# KiCad board ev18.kicad_pcb (continued)
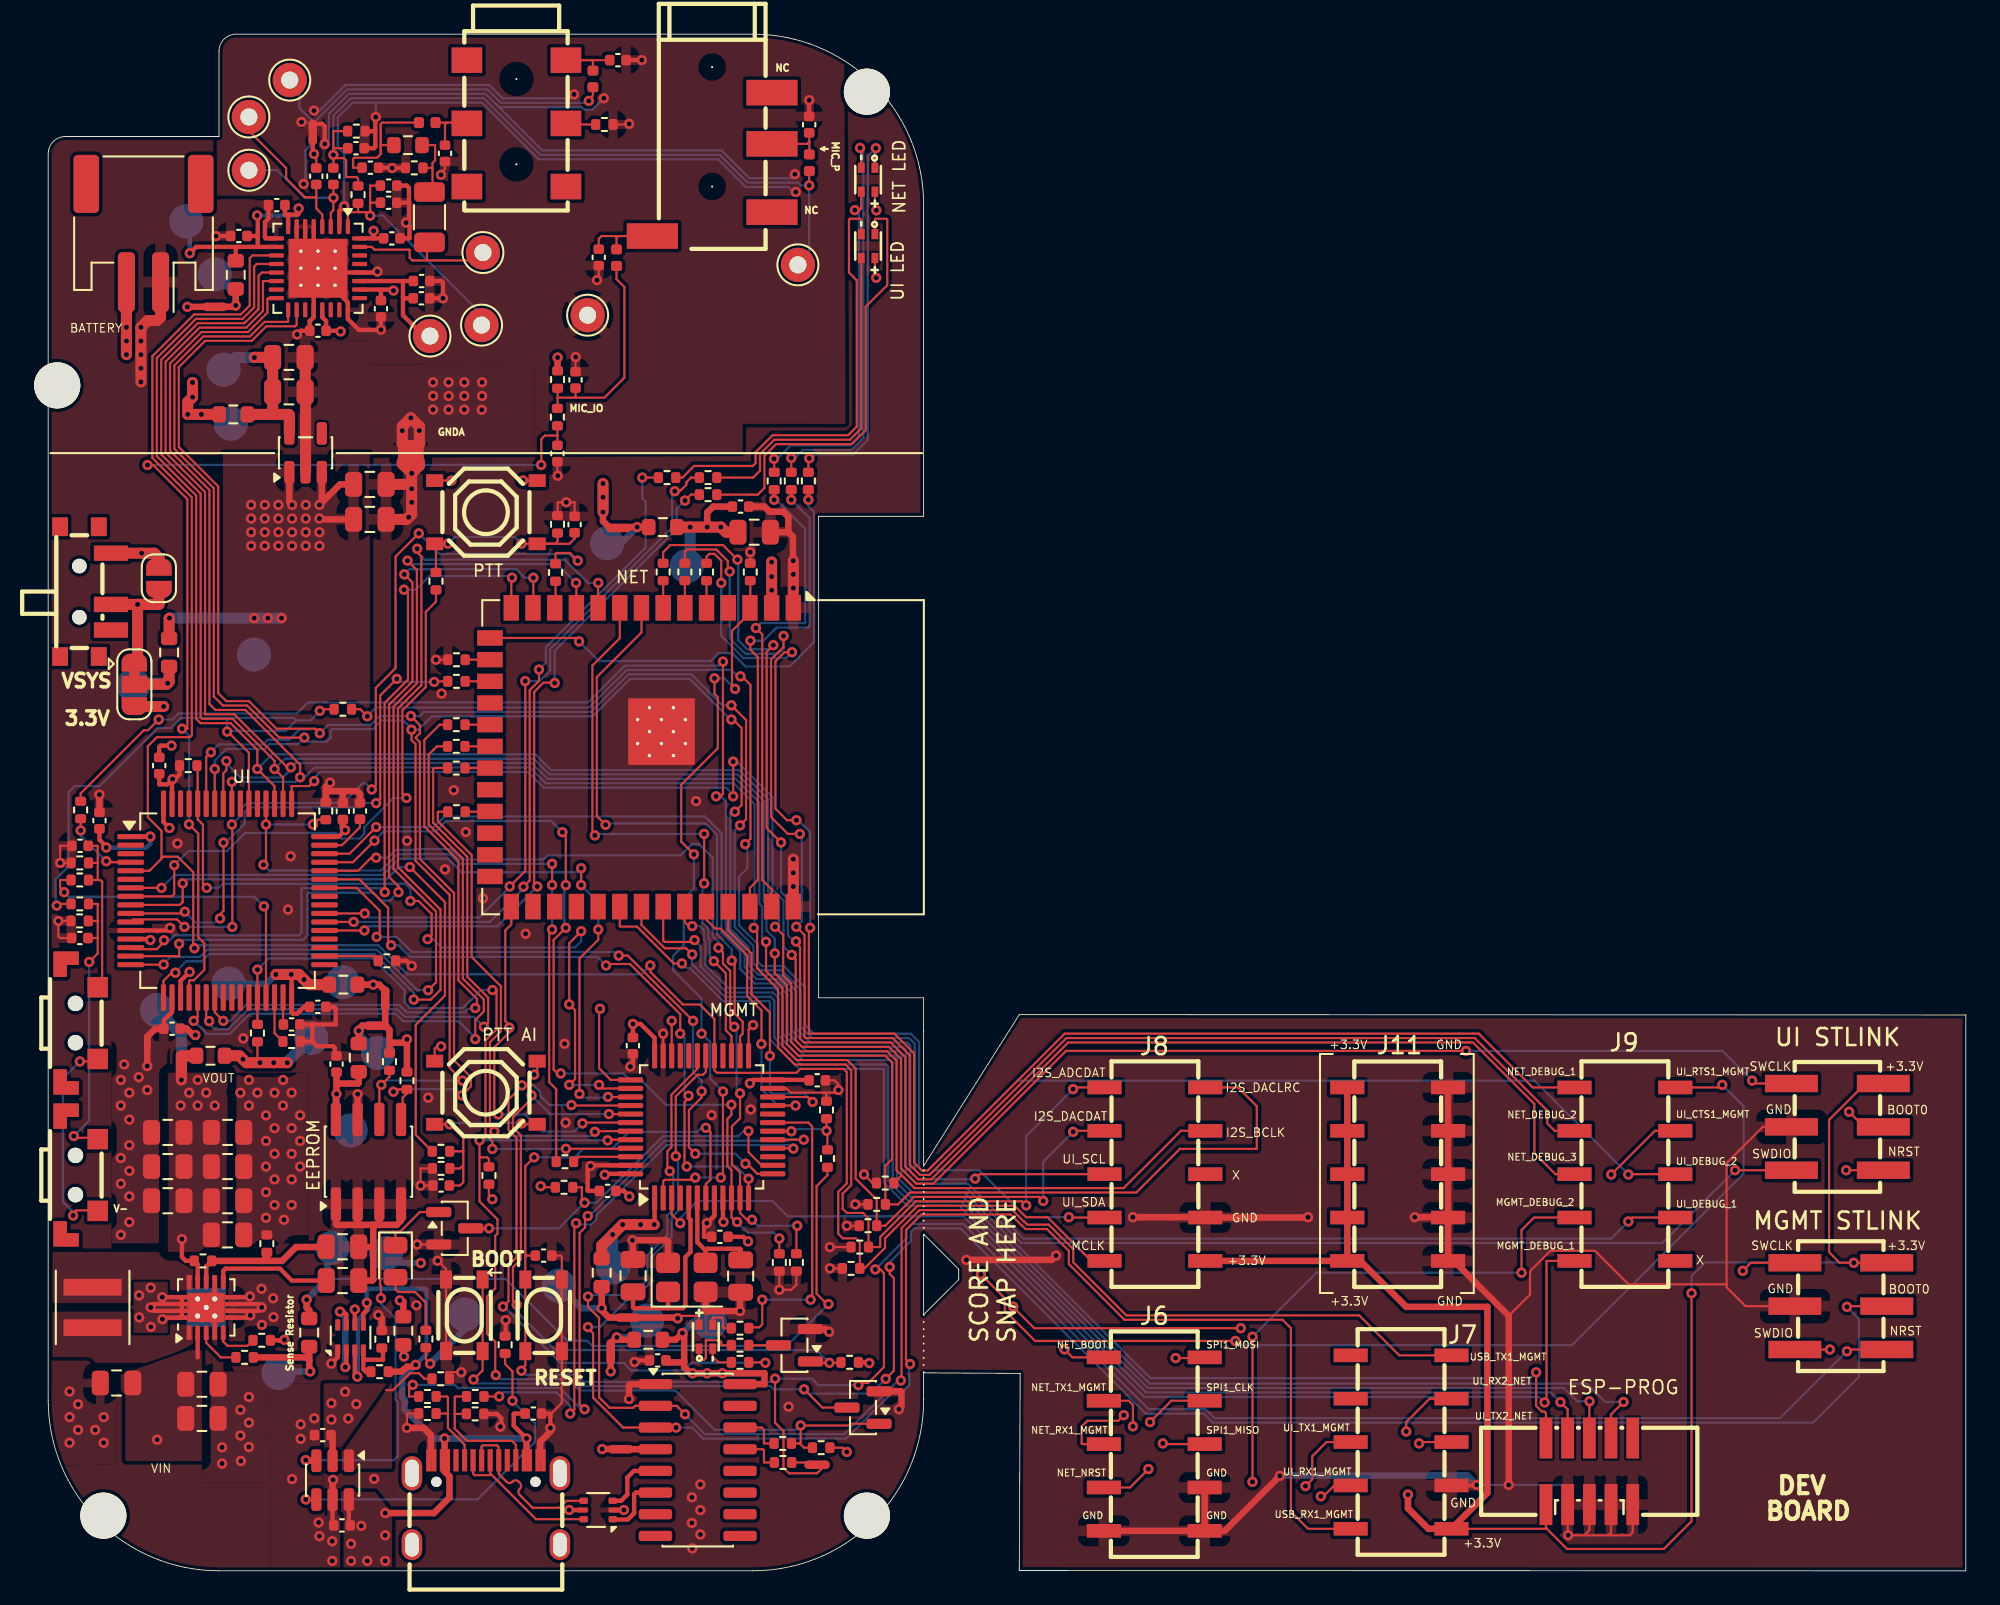
[diagram p0: board, top side]
## Routing (per net, layer and track width the routed paths; a pad name or vN(x,y) marks a point on that pad's centre or on a via; arc(x,y) is an arc through that point) (continued)
GNDA: length 148
  Top w0.127: v1(32.13,75.6) 32.23,75.7 32.23,76.36 ; v1(30.88,71.09) 30.87,71.08 C63.2 ; v1(22.99,81.76) 22.99,81.86 23.23,82.1 C57.2 ; v1(34.01,84.75) 33.97,84.71 R84.2
  Top w0.254: C25.1 21.15,78.04 21.15,78.76 v1(20.95,78.96) 21.12,79.13 21.12,80.15 ; NT11.1 16.03,84.75 16.19,84.59 v1(16.19,83.57) ; C48.2 21.1,80.13 21.12,80.15 ; C33.2 23.02,75.54 23.11,75.45 v1(23.11,74.53) C55.2 ; U6.2 17.04,79.64 17.05,79.64 v1(17.33,79.92) ; C58.2 20.12,82.18 v1(20.14,82.16) 20.15,82.17 R32.1 ; 19.15,84.35 19.15,83.4 19.07,83.32 C61.2 ; 19.15,84.35 19.15,85.12 v1(19.18,85.15) ; 19.15,84.35 19.12,84.32 R86.1 ; U6.33 15.54,77.54 U6.5 ; U6.6 15.04,77.04 U6.33 ; 21.12,80.15 21.12,81 20.99,81.13 C37.2 ; C60.2 v1(44.55,86.13) ; U6.33 15.54,76.04 U6.20 15.54,73.43 15.31,73.19 C26.2 14.78,72.63 14.57,72.42 v1(14.57,72.41) ; U6.33 14.54,77.54 U6.7 ; U6.33 16.04,76.04 U6.28 19.21,76.04 v1(19.27,76.1) ; U6.33 15.79,76.04 17.54,74.29 U6.24 17.54,73.32 18.18,72.68 19.47,72.68 v1(19.48,72.69) C28.2 ; C59.2 v1(34.75,88.48)
  Top w0.65: NT1.2 v1(20.73,66.78) 20.73,67.03 v1(21.23,67.53) 21.73,67.03 v1(21.73,66.78) NT1.4 ; 15.13,68.58 15.07,68.52 U12.2 ; 15.05,68.95 15.05,70.97
  Bottom w0.127: 26.21,85.9 28.92,83.19 39.43,83.19 41.05,81.57 43.57,81.57 43.71,81.7 v1(43.71,81.8) ; 26.21,85.9 25.6,86.51 17.61,86.51 16.44,85.34 16.44,83.82 v1(16.19,83.57) ; 26.21,85.9 26.39,85.72 31.23,85.72 31.37,85.59 31.87,85.59 v1(32.52,86.25) ; v1(17.33,79.92) 17.33,83 16.95,83.37 16.95,85.12 17.82,85.99 19.06,85.99 19.18,85.87 v1(19.18,85.15) ; v1(43.76,80.76) 43.63,80.76 43.34,81.05 40.84,81.05 39.21,82.67 28.71,82.67 25.39,85.99 18.98,85.99
  Bottom w0.13: 28.71,86.24 28.63,86.24 ; 28.71,86.24 26.6,86.24 25.82,87.03 17.39,87.03 15.89,85.52 v1(15.56,85.52) ; 28.71,86.24 30.7,86.24 30.78,86.33 v1(30.78,86.47) ; 15.06,83.19 15.06,81.33 v1(14.95,81.23) ; 15.06,83.19 15.3,83.42 15.3,84.72 14.99,85.03 v1(14.83,84.86) ; 15.06,83.19 15.06,82.91
  vias: v1(22.53,69.61) v1(22.53,68.81) v1(22.53,68.01) v1(23.44,69.61) v1(23.44,68.81) v1(23.44,68.01) v1(24.36,69.61) v1(24.36,68.81) v1(24.36,68.01) v1(25.4,69.61) v1(25.4,68.81) v1(25.38,68)
VBUS: length 49.7
  Top w0.254: U2.5 v1(30.5,3.56) ; U9.5 18.45,15.06 18.65,15.27 v1(18.65,15.7) ; v1(28,7.75) 27.25,8.5 27.25,9.17 27.29,9.21 C5.1 ; U1.6 17.6,2.74 ; v1(18.1,11.37) 18.09,11.37 17.95,11.51 U9.3
  Top w0.381: v1(19.73,3.38) 22.58,3.38 23.49,4.3 23.49,5.53 23.2,5.82 v1(23.2,7.75) ; v1(21.52,12.07) 21.41,11.96 21.01,11.96 20.87,11.81 20.83,11.81 20.68,11.66 R53.2 ; v1(28,7.75) 28,6.65
  In2.Cu w0.381: v1(30.5,3.56) 30.88,3.94 30.88,7.38 30.5,7.75 v1(28,7.75)
  Bottom w0.254: v1(21.52,12.07) 21.52,12.08 22.15,12.71 22.15,16.44 22.07,16.52 18.7,16.52 18.65,16.48 v1(18.65,15.7) 18.76,15.59 18.76,15.33 18.13,14.7 18.13,11.4 v1(18.1,11.37)
  Bottom w0.381: v1(28,7.75) v1(23.2,7.75) 22.56,7.75 20.86,9.45 20.86,10.04 20.72,10.19 20.72,11.27 v1(21.52,12.07)
  vias: v1(17.73,1.58) v1(17.73,0.58) v1(18.33,2.63) v1(18.68,0.58) v1(19.73,2.08) v1(19.73,0.58)
/AMID: length 7.9
  Top w0.254: 20.77,74.63 20.87,74.53 C55.1 ; 20.77,74.63 20.77,73.54 21.99,72.32 TP7.1 ; 20.77,74.63 20.77,75.54 ; U6.27 20.77,75.54 ; 20.77,75.54 C33.1
/Analog_Sense: length 10.1
  Top w0.65: U12.5 14.12,67.7 14.08,67.73 13.14,67.73 ; 13.14,67.73 R52.1 ; 13.14,67.73 C18.1 C10.1 12.08,71.07 v1(12.07,71.06)
  Bottom w0.65: v1(12.07,71.06) 10.98,71.06 TP27.1
/BATTERY_MON: length 5.1
  Top w0.127: v1(45.56,25.77) R13.1 ; 42.45,25.71 U3.18 43.5,25.75 v1(43.5,25.75) ; R12.1 45.62,25.68 45.54,25.75
  Bottom w0.127: v1(43.5,25.75) 43.57,25.75 43.69,25.87 45.47,25.87 v1(45.56,25.77)
/BB_Vin_Sense: length 20.1
  Top w0.254: U5.2 8.75,12.5
  Top w0.381: 15.28,12.33 15.28,11.73 v1(15.33,11.68) ; 15.28,12.33 15.11,12.5 R18.1 ; 15.28,12.33 R14.2
  In2.Cu w0.381: v1(15.33,11.68) 14.58,10.93 6.93,10.93 6.58,10.58 6.58,7.88 v1(6.38,7.68)
  Bottom w0.381: TP26.1 13.58,11.68 v1(15.33,11.68)
/BB_Vout: length 30.7
  Top w0.254: v1(7.83,19.43) 7.83,18.38 8.06,18.15 R26.2 8.75,17.95 U5.9 U5.9 ; R28.2 13.53,13.5 13.55,13.48 13.78,13.48 v1(13.83,13.53)
  Top w0.65: R48.1 8.21,30.17 8.2,30.16 7.8,30.16 v1(7.8,28.75)
  In2.Cu w0.254: v1(7.83,19.43) 5.23,19.43 3.95,18.15 3.95,13.16 4.2,12.91 13.21,12.91 v1(13.83,13.53)
  Bottom w0.65: TP23.1 7.8,31.41 v1(7.8,28.75)
  vias: v1(7.75,27.25) v1(8.25,28) v1(8.75,28.75) v1(8.75,27.25) v1(9.25,28) v1(9.75,27.25)
/BQ_OUT: length 12.9
  Top w0.127: R11.1 22.11,12.38 v1(22.36,12.13)
  Top w0.381: C12.1 16.65,7.85 U1.2 ; v1(20.83,12.55) 20.79,12.59 R65.1
  In2.Cu w0.381: v1(18.04,9.76) v1(20.83,12.55) 21.11,12.83 21.66,12.83 v1(22.36,12.13)
  Bottom w0.381: TP31.1 24.39,14.16 v1(22.36,12.13)
  vias: v1(16.58,9.82) v1(16.58,8.86) v1(17.38,10.49) v1(17.57,8.92)
/CH340C_Sense: length 3.8
  Top w0.381: 33.29,13.64 33.4,13.53 R80.1 ; 33.29,13.64 33.18,13.53 33.13,13.53 NT5.2 ; 33.29,13.64 v1(33.29,13.67)
  Bottom w0.381: TP22.1 34.08,13.67 v1(33.29,13.67)
/CHG_FB: length 24.6
  Top w0.127: v1(40.99,25.76) 40.99,24.52 41.76,23.75 U3.14 ; R3.1 31.24,22.46 31.24,21.72 v1(31.4,21.56) ; 24.28,20.06 v1(25.81,20.06) Q2.3
  Bottom w0.127: 40.4,25.45 40.71,25.76 v1(40.99,25.76) ; v1(31.4,21.56) 29.9,20.06 v1(25.81,20.06)
  Bottom w0.13: v1(31.4,21.56) 32.1,21.56 35.99,25.45 40.4,25.45
/D_N: length 9.3
  Top w0.127: 25.88,5.71 25.88,5.65 25.83,5.6 24.96,5.6 24.88,5.68 J1.B7
  Top w0.13: U2.6 28.56,3.03 25.88,5.71 J1.A7
/D_P: length 10
  Top w0.127: J1.B6 26.38,7.25 26.27,7.35 25.44,7.35 25.37,7.28 25.37,6.48 J1.A6
  Top w0.13: J1.B6 26.38,5.68 26.83,5.22 arc(27,5.15) 27.17,5.22 27.19,5.23 arc(27.36,5.3) 27.53,5.23 27.61,5.15 arc(27.68,4.98) 27.61,4.81 27.6,4.79 arc(27.53,4.62) 27.6,4.45 28.36,3.69 29.93,3.69 30.34,4.1 U2.4
/EEPROM_Sense: length 3.3
  Top w0.381: NT10.2 18.38,31.93 18.18,31.73 v1(18.18,31.63) R79.1
  Bottom w0.381: v1(18.18,31.63) 18.18,31.46 TP11.1
/HP_L: length 9.1
  Top w0.13: C34.1 22.17,77.66 22.17,76.8 22.12,76.75 ; 22.12,76.75 21.32,76.75 21.16,76.91 21.16,77.36 21.14,77.38 19.1,77.38 18.94,77.54 U6.31 ; 22.12,76.75 24.99,76.75 TP1.1
/I2S_ADCDAT: length 121.8
  Top w0.127: U6.16 12.89,74.54 12.83,74.48 12.83,73.69 11.7,72.56 8.97,72.56 7.13,70.72 7.13,65.61 9.44,63.3 9.44,50.77 9.79,50.42 11.54,50.42 14.75,47.21 v1(14.75,46.48) ; v1(57.25,21.41) 57.01,21.64 50.79,21.64 48.71,19.56 48.71,19.01 48.67,18.96 R66.1 48.02,20.64 47.7,20.96 46.75,20.96 46.51,21.21 46.51,22.09 47.01,22.59 47.01,29.32 46.67,29.66 43.71,29.66 42.72,30.64 42.72,34.06 41.5,35.29 41.5,37.46 v1(41.3,37.66) ; v1(10.75,46.21) U10.56 ; J8.6 60.1,28.31 v1(60,28.21)
  Bottom w0.127: v1(10.75,46.21) 14.49,46.21 v1(14.75,46.48) 15.01,46.48 15.58,47.05 28.21,47.05 29.12,46.13 40.13,46.13 41.34,44.92 41.34,37.69 v1(41.3,37.66) ; v1(60,28.21) 57.25,25.46 v1(57.25,21.41)
/I2S_BCLK: length 120.6
  Top w0.127: 49.95,23.18 50.71,22.42 62.95,22.42 66.31,25.77 J8.4 ; 49.95,23.18 49.66,23.47 49.66,29.88 49.11,30.43 44.03,30.43 ; 49.95,23.18 49.96,23.17 R69.1 ; v1(42.55,37.72) 43.03,37.25 43.03,34.88 43.5,34.41 43.5,30.96 43.99,30.46 ; U6.12 12.21,76.54 12.06,76.39 12.06,74.01 11.38,73.33 8.65,73.33 6.36,71.04 6.36,65.29 8.66,62.98 8.66,49.9 8.91,49.65 10.68,49.65 12.24,48.08 v1(12.24,46.97) 13.25,45.96 U10.51
  Bottom w0.127: v1(42.55,37.72) 42.61,37.78 42.77,37.78 42.78,37.8 42.78,39.15 42.15,39.79 42.15,45.21 40.46,46.9 29.45,46.9 28.53,47.82 13.1,47.82 v1(12.24,46.97)
/I2S_DACDAT: length 119.7
  Top w0.127: v1(60,25.71) 60.06,25.77 J8.7 ; v1(58.25,21.67) 58.01,21.9 50.69,21.9 49,20.21 R68.1 48.5,21.74 47.27,22.98 47.27,29.43 46.78,29.92 43.81,29.92 42.98,30.75 42.98,34.17 42.02,35.13 v1(42.02,36.84) ; U6.14 12.59,75.54 12.57,75.53 12.57,73.79 11.6,72.81 8.87,72.81 6.87,70.82 6.87,65.5 9.18,63.19 9.18,50.17 10.89,50.17 13.99,47.06 v1(14.2,47.06) ; U10.57 10.25,46.71 10.43,46.9 v1(10.43,47.43)
  Bottom w0.127: v1(42.02,36.84) 41.8,37.07 41.8,37.4 41.8,37.4 41.8,38.91 41.63,39.08 41.63,45 40.24,46.39 29.23,46.39 28.31,47.31 14.44,47.31 v1(14.2,47.06) ; 14.29,46.97 v1(14.2,47.06) ; v1(14.2,47.06) 14.23,47.04 14.23,46.96 13.74,46.47 11.24,46.47 10.43,47.28 v1(10.43,47.43) ; v1(58.25,21.67) 58.25,23.96 v1(60,25.71)
/I2S_DACLRC: length 128.9
  Top w0.127: U6.13 12.51,76.04 12.31,75.85 12.31,73.9 11.49,73.07 8.76,73.07 6.61,70.93 6.61,65.39 8.92,63.09 8.92,50.01 9.02,49.91 10.79,49.91 13.25,47.44 v1(13.25,46.97) 13.75,46.47 U10.50 13.73,44.94 ; v1(42.53,36.16) 42.53,35.01 43.24,34.3 43.24,30.85 43.92,30.17 49,30.17 49.4,29.77 49.4,24.11 49,23.71 49,22.46 49.01,22.45 R67.1 49.75,21.46 50.45,22.16 63.7,22.16 66.25,24.71 70.75,24.71 70.75,27.21 69.65,28.31 J8.5
  Bottom w0.127: v1(42.53,36.16) 42.53,37.03 42.05,37.51 42.05,39.02 41.89,39.18 41.89,45.1 40.35,46.64 29.34,46.64 28.42,47.56 13.85,47.56 v1(13.25,46.97)
/Jack_HP_L: length 3.2
  Top w0.127: 23.33,84.82 24.52,84.82 ; 23.33,84.82 23.23,84.72 23.23,83.79 ; 23.33,84.82 L1.2 ; 24.61,84.82 24.66,84.78
  Top w0.254: 24.5,84.93 24.66,84.78
/Jack_MIC_N: length 3.4
  Top w0.127: 31.82,88.48 32.86,88.48 C59.1 ; 31.82,88.48 30.16,88.48 ; 31.82,88.48 31.89,88.41 L3.2
/Jack_MIC_P: length 4
  Top w0.127: 44.55,83.7 44.42,83.58 41.87,83.58 ; 44.55,83.7 C60.1 ; 44.55,83.7 44.56,83.69 L4.1
/Jack_PTT: length 4.6
  Top w0.127: J3.S 33.36,78.18 ; 33.36,78.18 33.27,78.09 L5.1 ; 33.36,78.18 32.39,78.18 ; 32.38,78.17 32.23,78.02 C62.1
/LEDA_B: length 17.7
  Top w0.127: v1(44.63,15.88) 44.72,15.98 44.72,26.03 44.5,26.25 U3.19 ; v1(41.8,15.88) 41.8,14.43 41.63,14.26 41.06,14.26 R15.2
  Bottom w0.127: v1(41.8,15.88) 42.12,15.88 42.12,15.88 v1(44.63,15.88)
/LEDA_G: length 38.8
  Top w0.127: R21.2 41.96,12.21 v1(41.98,12.19) ; v1(30.63,27.28) 30.78,27.28 30.81,27.25 U3.40 ; v1(27.73,28.43) 27.63,28.33 27.63,28.28 26.95,27.6 26.95,25.83 27.41,25.36 27.41,18.35 26.95,17.89 26.95,15.8 v1(26.62,15.47)
  Bottom w0.127: v1(26.62,15.47) 26.69,15.47 29.98,12.18 33.69,12.18 34.12,11.74 37.2,11.74 37.65,12.19 v1(41.98,12.19) ; v1(27.73,28.43) 28.41,28.43 28.79,28.05 28.79,27.83 29.34,27.28 v1(30.63,27.28)
/LEDA_R: length 41
  Top w0.127: v1(28.29,27.85) 28.29,27.65 27.21,26.56 27.21,25.97 27.67,25.51 27.67,18.25 27.21,17.78 27.21,15.81 v1(27.43,15.58) ; Q1.1 44.71,12.18 v1(45.73,12.18) 46.21,12.18 46.24,12.21 ; v1(32.83,26.75) U3.41
  Bottom w0.127: v1(32.83,26.75) 29.39,26.75 v1(28.29,27.85) ; v1(45.73,12.18) 44.99,12.92 29.69,12.92 27.43,15.18 v1(27.43,15.58)
/LIN1: length 9.4
  Top w0.127: 15.69,80.5 15.69,79.79 16.04,79.44 U6.4 ; 15.69,80.5 15.64,80.45 15.03,80.45 13.93,81.55 13.93,82.16 11.75,84.34 TP5.1 ; 15.69,80.5 C32.1
/LIN2: length 8.2
  Top w0.127: C36.2 16.69,80.43 v1(16.7,80.42) 16.69,80.42 16.69,79.69 16.54,79.54 U6.3
  Bottom w0.127: v1(16.7,80.42) 15.02,80.42 13.41,82.03 TP6.1
/MCLK: length 127.2
  Top w0.127: U6.11 11.96,77.04 11.8,76.88 11.8,74.11 11.27,73.59 8.54,73.59 6.1,71.14 6.1,65.18 8.41,62.87 8.41,48.94 8.3,48.83 6.37,48.83 5.83,48.29 5.83,44.14 6.63,43.34 6.63,41.71 ; v1(8.56,36.46) 8.49,36.53 8.49,40.92 7.58,41.83 6.75,41.83 6.63,41.71 ; U10.5 5.92,41 6.63,41.71 ; v1(35.24,35.46) 35.24,35.08 37.16,33.17 38.15,33.17 39,32.32 U3.29 39,29.31 39.15,29.17 43.8,29.17 44.03,29.4 46.56,29.4 46.75,29.21 46.75,22.7 46.25,22.2 46.25,19.74 46.51,19.48 47.28,19.48 47.51,19.24 R64.1 47.78,17.71 48.99,18.92 48.99,19.47 50.9,21.39 56.57,21.39 57.24,20.71 58.5,20.71 61.06,18.15 J8.10
  Bottom w0.127: v1(8.56,36.46) 8.73,36.64 19.33,36.64 21.03,34.94 34.72,34.94 v1(35.24,35.46)
/MGMT_BOOT: length 128.8
  Top w0.127: v1(32.75,25.21) 32.79,25.25 U3.44 ; J4.3 105.34,15.5 v1(105.3,15.46) ; 25.29,25.25 v1(25.25,25.21) 25.25,21.64 26.3,20.59 26.3,19.75 26.17,19.62 26.17,16.54 25.69,16.06 25.69,13.89 26.17,13.41 26.17,11.49 v1(26.2,11.46) ; Q3.3 45.32,9.56 v1(44.25,10.63) ; v1(49.26,17.8) 49.26,17.39 49.51,17.14 49.51,11.72 v1(49.03,11.24)
  Top w0.13: 25.25,24.26 25.3,24.22 25.7,24.22 25.8,24.12 R22.1
  Bottom w0.127: v1(32.75,25.21) v1(25.25,25.21) ; v1(26.2,11.46) 26.44,11.23 27.49,11.23 27.5,11.23 27.9,11.23 27.91,11.23 30.8,11.23 31.21,10.81 42.29,10.81 42.47,10.63 v1(44.25,10.63) 44.5,10.38 48.17,10.38 49.03,11.24 v1(49.03,11.24) ; v1(105.3,15.46) 106,14.76 106,11.36 103.32,8.68 68.17,8.68 67.65,9.21 64.26,9.21 53.4,20.06 50.7,20.06 50.51,19.87 50.51,19.33 49.26,18.09 v1(49.26,17.8)
/MGMT_DEBUG_1: length 67.9
  Top w0.127: U3.3 36.5,20.86 v1(37,20.36) ; v1(87.6,9.86) 87.71,9.97 87.71,18.15 J9.10
  Bottom w0.127: v1(37,20.36) 37,20.66 38,21.66 42.4,21.66 43.3,20.76 53.58,20.76 63.96,10.38 63.97,10.38 64.16,10.19 87.27,10.19 v1(87.6,9.86)
/MGMT_DEBUG_2: length 80.7
  Top w0.127: v1(70.5,5.21) v1(70.5,13.71) ; v1(86.25,17.46) 86.25,19.96 86.98,20.69 J9.9 ; v1(41.26,31.97) 41,31.71 U3.25
  In2.Cu w0.127: v1(70.5,5.21) 64.46,5.21 57.73,11.94 57.73,15.66 52.52,20.87 50.07,20.87 48.41,22.54 48.41,28.76 48.28,28.88 44.14,28.88 44.02,29 42.66,29 41.26,30.41 41.26,31.96 v1(41.26,31.97)
  Bottom w0.127: v1(86.25,17.46) 74.25,17.46 v1(70.5,13.71)
/MGMT_NRST: length 132.1
  Top w0.127: v1(38.5,25.95) 38.53,25.95 38.77,25.71 38.77,22.92 38.5,22.65 U3.7 ; SW3.1 27.93,12.03 27.7,11.8 v1(27.7,11.72) ; 27.93,18.39 27.93,23.7 v1(28.45,24.22) ; 27.93,18.39 28,18.46 C17.1 ; 27.93,18.39 SW3.2 ; v1(105.3,12.86) 105.4,12.96 J4.1 ; NT3.2 45.01,5.71 43.37,5.71 43.05,6.04 43.05,8.18 42.55,8.68 v1(42.55,11.26) ; v1(48.42,17.65) 48.53,17.76 48.6,17.76 48.92,17.44 48.92,11.93 48,11.01 47.56,11.01 v1(47.43,10.88)
  Top w0.13: SW3.2 SW3.1
  Bottom w0.127: v1(105.3,12.86) 101.38,8.94 68.28,8.94 67.76,9.47 64.42,9.47 53.57,20.32 50.59,20.32 50.25,19.98 50.25,19.49 49.06,18.29 49.06,18.29 48.77,18 48.77,18 v1(48.42,17.65) ; v1(28.45,24.22) 30.81,24.22 31.3,24.71 33,24.71 34,25.71 37.99,25.71 38.23,25.95 v1(38.5,25.95) ; v1(27.7,11.72) 27.94,11.49 30.91,11.49 31.32,11.07 42.36,11.07 v1(42.55,11.26) 44.7,11.26 45.09,10.88 v1(47.43,10.88)
/MGMT_Sense: length 5.6
  Top w0.381: NT6.2 32.83,14.83 32.4,15.26 v1(32.4,15.38) 32.4,16.64
  Bottom w0.381: v1(32.4,15.38) 31.21,15.38 TP20.1
/MGMT_SWCLK: length 100.4
  Top w0.127: 102.33,17.96 J4.6 99.67,18.04 v1(99.2,17.57) ; v1(32.3,32.92) 32.25,32.87 32.25,29.43 32.93,28.75 U3.37
  In2.Cu w0.127: v1(32.3,32.92) 32.54,33.16 42.56,33.16 42.94,32.78 42.94,30.82 44.35,29.4 48.81,29.4 48.92,29.29 48.92,22.75 50.29,21.39 52.73,21.39 58.25,15.87 58.25,12.15 63.69,6.71 91.41,6.71 91.56,6.86 91.56,9.93 v1(99.2,17.57)
/MGMT_SWDIO: length 93.9
  Top w0.127: v1(104.3,12.96) J4.2 103.29,12.96 ; 36.51,30.18 U3.34 v1(36.5,32.21)
  In2.Cu w0.127: v1(36.5,32.21) 37.19,32.9 42.45,32.9 42.68,32.67 42.68,30.71 44.25,29.14 48.49,29.14 48.66,28.96 48.66,22.64 50.18,21.13 52.62,21.13 57.99,15.76 57.99,12.05 63.58,6.45 97.79,6.45 v1(104.3,12.96)
/MIC_IO: length 60.4
  Top w0.127: v1(8.24,43.72) 8.78,43.18 8.78,37.11 9.14,36.75 9.14,35.2 8.52,34.58 8.28,34.58 8.25,34.55 U10.20 ; 29.81,66.49 29.07,66.49 28.87,66.29 28.87,64.78 v1(28.86,64.77) ; 29.81,66.49 R81.2 ; 29.81,66.49 C53.1 ; v1(7.84,49.32) 8.14,49.32 8.15,49.33 8.15,62.77 6.15,64.77 v1(5.81,64.77)
  Bottom w0.127: v1(8.24,43.72) 8.25,43.73 8.25,48.91 v1(7.84,49.32) ; v1(5.81,64.77) 5.83,64.78 28.85,64.78 v1(28.86,64.77)
/MIC_N: length 24.7
  Top w0.127: C32.2 15.69,82.85 v1(15.56,82.98) ; L3.1 31.89,86.41 31.65,86.17 v1(31.65,86.09)
  Top w0.254: v1(15.56,82.98) 15.49,83.05 NT11.2
  Bottom w0.127: v1(15.56,82.98) 15.56,84.83 ; 15.56,84.83 17.5,86.77 25.71,86.77 26.5,85.98 31.47,85.98 ; 15.56,84.83 14.7,85.69 14.7,86.75 TP3.1 ; v1(31.65,86.09) 31.55,85.99
/MIC_P: length 45.7
  Top w0.127: v1(44.55,81.14) 44.55,82 44.54,82 ; v1(16.69,82.93) 16.88,82.74 17.3,82.74 17.44,82.6 17.44,81.66 17.47,81.63 18.05,81.63 18.14,81.54 R31.1 ; v1(16.69,82.93) C36.1 ; v1(16.69,82.93) 16.69,83.41 ; C61.1 16.7,83.32 16.69,83.33 16.69,83.41 ; 16.69,83.41 16.69,84.32 R86.2 17.21,84.32 17.2,84.32
  Bottom w0.127: TP2.1 44.55,77.15 v1(44.55,81.14) 44.07,81.14 43.9,81.31 40.94,81.31 39.32,82.93 28.81,82.93 25.5,86.25 17.71,86.25 16.69,85.23 v1(16.69,82.93)
/MICBIAS: length 15.3
  Top w0.127: 18.18,79.58 18.14,79.62 R31.2 ; 18.24,80.13 18.23,80.12
  Top w0.13: 18.85,80.12 18.85,81.13 C37.1 ; 18.85,80.12 18.86,80.13 C48.1 ; 18.85,80.12 v1(18.85,79.37) 18.64,79.58 17.68,79.58 17.54,79.44 U6.1
  Bottom w0.127: v1(18.85,79.37) 19.59,79.37 25.37,73.59 TP4.1
  Bottom w0.13: 25.26,72.96 TP4.1
/NET_BOOT: length 72.5
  Top w0.127: v1(31.28,26.21) 31.33,26.25 U3.42 ; v1(26.35,26.73) 26.12,26.97 26.12,30.66 26.99,31.54 v1(26.99,31.81) 27.01,31.83 27.01,31.96 26.76,32.21 26.76,37.51 27.11,37.86 U7.27 ; v1(59.49,12.97) 59.96,12.5 J6.1
  In2.Cu w0.127: v1(59.49,12.97) 59,13.46 59,15.98 53.08,21.9 50.5,21.9 49.44,22.96 49.44,29.77 49.3,29.92 44.57,29.92 43.45,31.03 43.45,33.4 43.18,33.67 29.21,33.67 27.49,31.96 27.14,31.96 v1(26.99,31.81)
  Bottom w0.127: v1(26.35,26.73) 27.93,26.73 28.93,25.73 30.8,25.73 v1(31.28,26.21)
/NET_CTS1_MGMT: length 34.2
  Top w0.127: v1(38.4,40.26) v1(38.4,43.16) ; U3.27 40,31.33 39.67,31.66 39.67,35.01 v1(38.96,35.71) ; U7.9 33.46,54.62 31.86,53.02 31.86,43.22 v1(32,43.07)
  Bottom w0.127: v1(38.96,35.71) 38.73,35.95 38.73,36.97 38.64,37.06 38.64,37.62 38.3,37.96 38.3,40.16 v1(38.4,40.26) ; v1(38.4,43.16) 32.09,43.16 v1(32,43.07)
/NET_DEBUG_1: length 1.6
  Top w0.127: R70.1 U7.5
/NET_DEBUG_2: length 1.6
  Top w0.127: R71.1 U7.6
/NET_DEBUG_3: length 1.6
  Top w0.127: R72.1 U7.7
/NET_LED_B: length 28.3
  Top w0.127: v1(41.43,55.22) 41.8,54.85 41.8,40.46 42.35,39.91 U7.39 ; R33.1 v1(42.5,62.73)
  Bottom w0.127: v1(41.43,55.22) 41.71,55.5 44.31,55.5 44.31,61.03 42.61,62.73 v1(42.5,62.73)
/NET_LED_G: length 28.2
  Top w0.127: U7.38 41.08,40 41.54,40.46 41.54,53.52 41.1,53.96 41.1,54.47 v1(41.11,54.48) ; v1(43.5,62.73) R35.1
  Bottom w0.127: v1(41.11,54.48) 41.88,54.48 42.64,55.25 44.49,55.25 44.57,55.33 44.57,61.66 v1(43.5,62.73)
/NET_LED_R: length 29.7
  Top w0.127: U7.15 30.88,54.64 v1(31.08,54.44) ; v1(44.5,62.73) R34.1
  Bottom w0.127: v1(44.5,62.73) 44.5,62.36 44.83,62.03 44.83,54.39 43.4,52.97 40.83,52.97 40.05,53.75 39.25,53.75 38.78,53.28 32.24,53.28 v1(31.08,54.44)
/NET_MTCK: length 75.2
  Top w0.127: v1(88.53,9.88) 88.95,9.46 CN1.4 ; U7.32 33.46,37.77 33.5,37.73 34.47,37.73 36.62,35.57 v1(37.1,35.57)
  Bottom w0.127: v1(37.1,35.57) 37.36,35.31 37.55,35.31 39.5,33.36 42.2,33.36 42.25,33.31 42.25,31.11 43.96,29.4 48.92,29.4 48.92,22.75 50.29,21.39 53.32,21.39 56.54,18.17 56.54,18.17 64.27,10.45 87.96,10.45 v1(88.53,9.88)
/NET_MTDI: length 77.9
  Top w0.127: U7.34 36,36.93 36.09,36.83 37.6,36.83 37.71,36.94 v1(37.84,36.94) ; CN1.8 91.49,9.16 v1(92.22,9.89)
  Bottom w0.127: v1(37.84,36.94) 38.19,36.59 38.19,35.4 39.71,33.88 42.41,33.88 42.77,33.53 42.77,31.33 44.18,29.92 49.3,29.92 49.44,29.78 49.44,22.96 50.5,21.9 53.54,21.9 56.75,18.69 56.76,18.69 64.48,10.96 90.08,10.96 91.15,9.89 v1(92.22,9.89)
/NET_MTDO: length 75.9
  Top w0.127: v1(90.23,9.93) 90.23,9.58 90.22,9.57 CN1.6 ; v1(37.7,36.1) 37.34,36.46 36.1,36.46 34.73,37.83 U7.33
  Bottom w0.127: 42.51,33.16 42.51,31.22 44.07,29.66 49.06,29.66 49.18,29.53 49.18,22.86 50.39,21.64 53.43,21.64 56.64,18.43 56.65,18.43 64.38,10.71 88.73,10.71 89.5,9.93 v1(90.23,9.93) ; v1(37.7,36.1) 37.7,35.53 39.61,33.62 42.31,33.62 42.51,33.42 42.51,33.21 ; 43.23,30.5 43.19,30.53 43.23,30.5
/NET_MTMS: length 72.6
  Top w0.127: CN1.2 87.68,9.23 87.58,9.33 87.43,9.33 87.11,9.66 v1(87.11,11.63) ; U7.35 37.27,37.99 37.5,37.76 v1(37.7,37.76)
  Bottom w0.127: v1(37.7,37.76) 38.14,37.76 38.38,37.51 38.38,36.95 38.47,36.86 38.47,35.92 38.47,35.91 38.47,35.51 38.47,35.5 38.47,35.49 39.82,34.14 42.52,34.14 43.03,33.63 43.03,31.43 44.28,30.17 49.54,30.17 49.7,30.02 49.7,23.07 50.61,22.16 53.65,22.16 56.86,18.95 56.86,18.95 64.53,11.28 86.76,11.28 v1(87.11,11.63)
/NET_NRST: length 96.8
  Top w0.127: R29.1 41.1,56.42 U7.3 41.08,56.1 40.03,55.05 40.03,51.83 v1(40.21,51.65) ; v1(64.41,5.96) 63.33,4.88 J6.4 ; v1(37.88,23.03) 37.75,22.91 36.09,22.91 36,22.82 U3.2 ; v1(39.01,52.27) 39.01,51.36 39.2,51.16 39.2,48.18 37.06,46.04 37.06,42.7 v1(37.8,41.96) ; v1(39.37,23.03) 39.5,23.16 v1(39.5,28.08)
  In1.Cu w0.127: v1(38.25,31.46) 39.25,32.46 43.84,32.46 48.42,27.89 48.42,25.8 51.03,23.19 52.02,23.19 52.3,23.46 63.5,23.46 64,22.96 64,6.37 v1(64.41,5.96)
  Bottom w0.127: v1(37.8,41.96) 37.8,39.96 37.21,39.37 37.21,36.64 36.59,36.02 36.59,35.18 38.25,33.51 v1(38.25,31.46) 38.75,30.96 38.75,28.83 39.5,28.08 v1(39.5,28.08) ; v1(39.01,52.27) 39.59,52.27 v1(40.21,51.65) ; v1(37.88,23.03) v1(39.37,23.03)
/NET_READY: length 1.6
  Top w0.127: R50.1 29.7,56.45 U7.12
/NET_RTS1_MGMT: length 34.5
  Top w0.127: v1(40.02,35.74) 40.18,35.58 40.18,32.64 40.66,32.16 40.66,31.46 40.5,31.31 U3.26 ; U7.8 34.73,54.96 32.12,52.35 32.12,44.21 v1(32.63,43.69)
  Bottom w0.127: v1(32.63,43.69) 32.71,43.77 38.49,43.77 39.16,43.1 39.16,37.27 40.02,36.41 v1(40.02,35.74)
/NET_RX1_MGMT: length 49.5
  Top w0.127: v1(62.96,9.12) 62.64,8.79 60.83,8.79 60.5,8.46 60.5,7.46 60.54,7.42 J6.3 ; v1(43.75,27.25) U3.21 ; v1(41.75,30.86) 41.76,30.87 41.76,32.82 40.91,33.66 40.91,36.05 39.35,37.61 39.05,37.61 38.54,38.12 U7.36
  In1.Cu w0.127: v1(43.75,27.25) 44.04,26.96 46.53,26.96 50.82,22.68 52.4,22.68 62.85,12.23 62.85,9.23 v1(62.96,9.12)
  Bottom w0.127: v1(41.75,30.86) 41.75,28.21 42.71,27.25 v1(43.75,27.25)
/NET_Sense: length 3.5
  Top w0.381: NT7.2 33.93,61.13 v1(34.48,61.13) R76.1
  Top w0.65: 35.13,61.11 R76.1
  Bottom w0.381: TP18.1 33.53,60.18 v1(34.48,61.13)
/NET_STAT: length 1.5
  Top w0.13: R4.2 25.85,44.46 U7.23
/NET_TX1_MGMT: length 49.4
  Top w0.127: U3.22 44.46,27.75 v1(44.75,27.46) ; U7.37 39.81,37.52 41.17,36.16 41.17,33.77 42.25,32.69 v1(42.25,30.16) ; J6.2 63.25,9.96 63.5,9.71 v1(63.5,8.46)
  In1.Cu w0.127: v1(63.5,8.46) 63.5,12.96 53.53,22.93 50.93,22.93 46.4,27.46 v1(44.75,27.46)
  Bottom w0.127: v1(44.75,27.46) 44.25,27.96 42.36,27.96 42.25,28.08 v1(42.25,30.16)
/PTT_AI_BTN: length 36.5
  Top w0.127: 21.75,32.21 21.52,31.98 21.52,31.95
  Top w0.13: v1(7.87,40.27) 7.87,39.17 7.7,39 U10.9 ; 21.75,32.21 23.23,33.69 23.23,39.17 v1(21.17,41.22) ; 21.52,31.95 21.52,25.54 R58.1